# KiCad board SparkFun_GNSS_LG580P_panelized.kicad_pcb (continued)
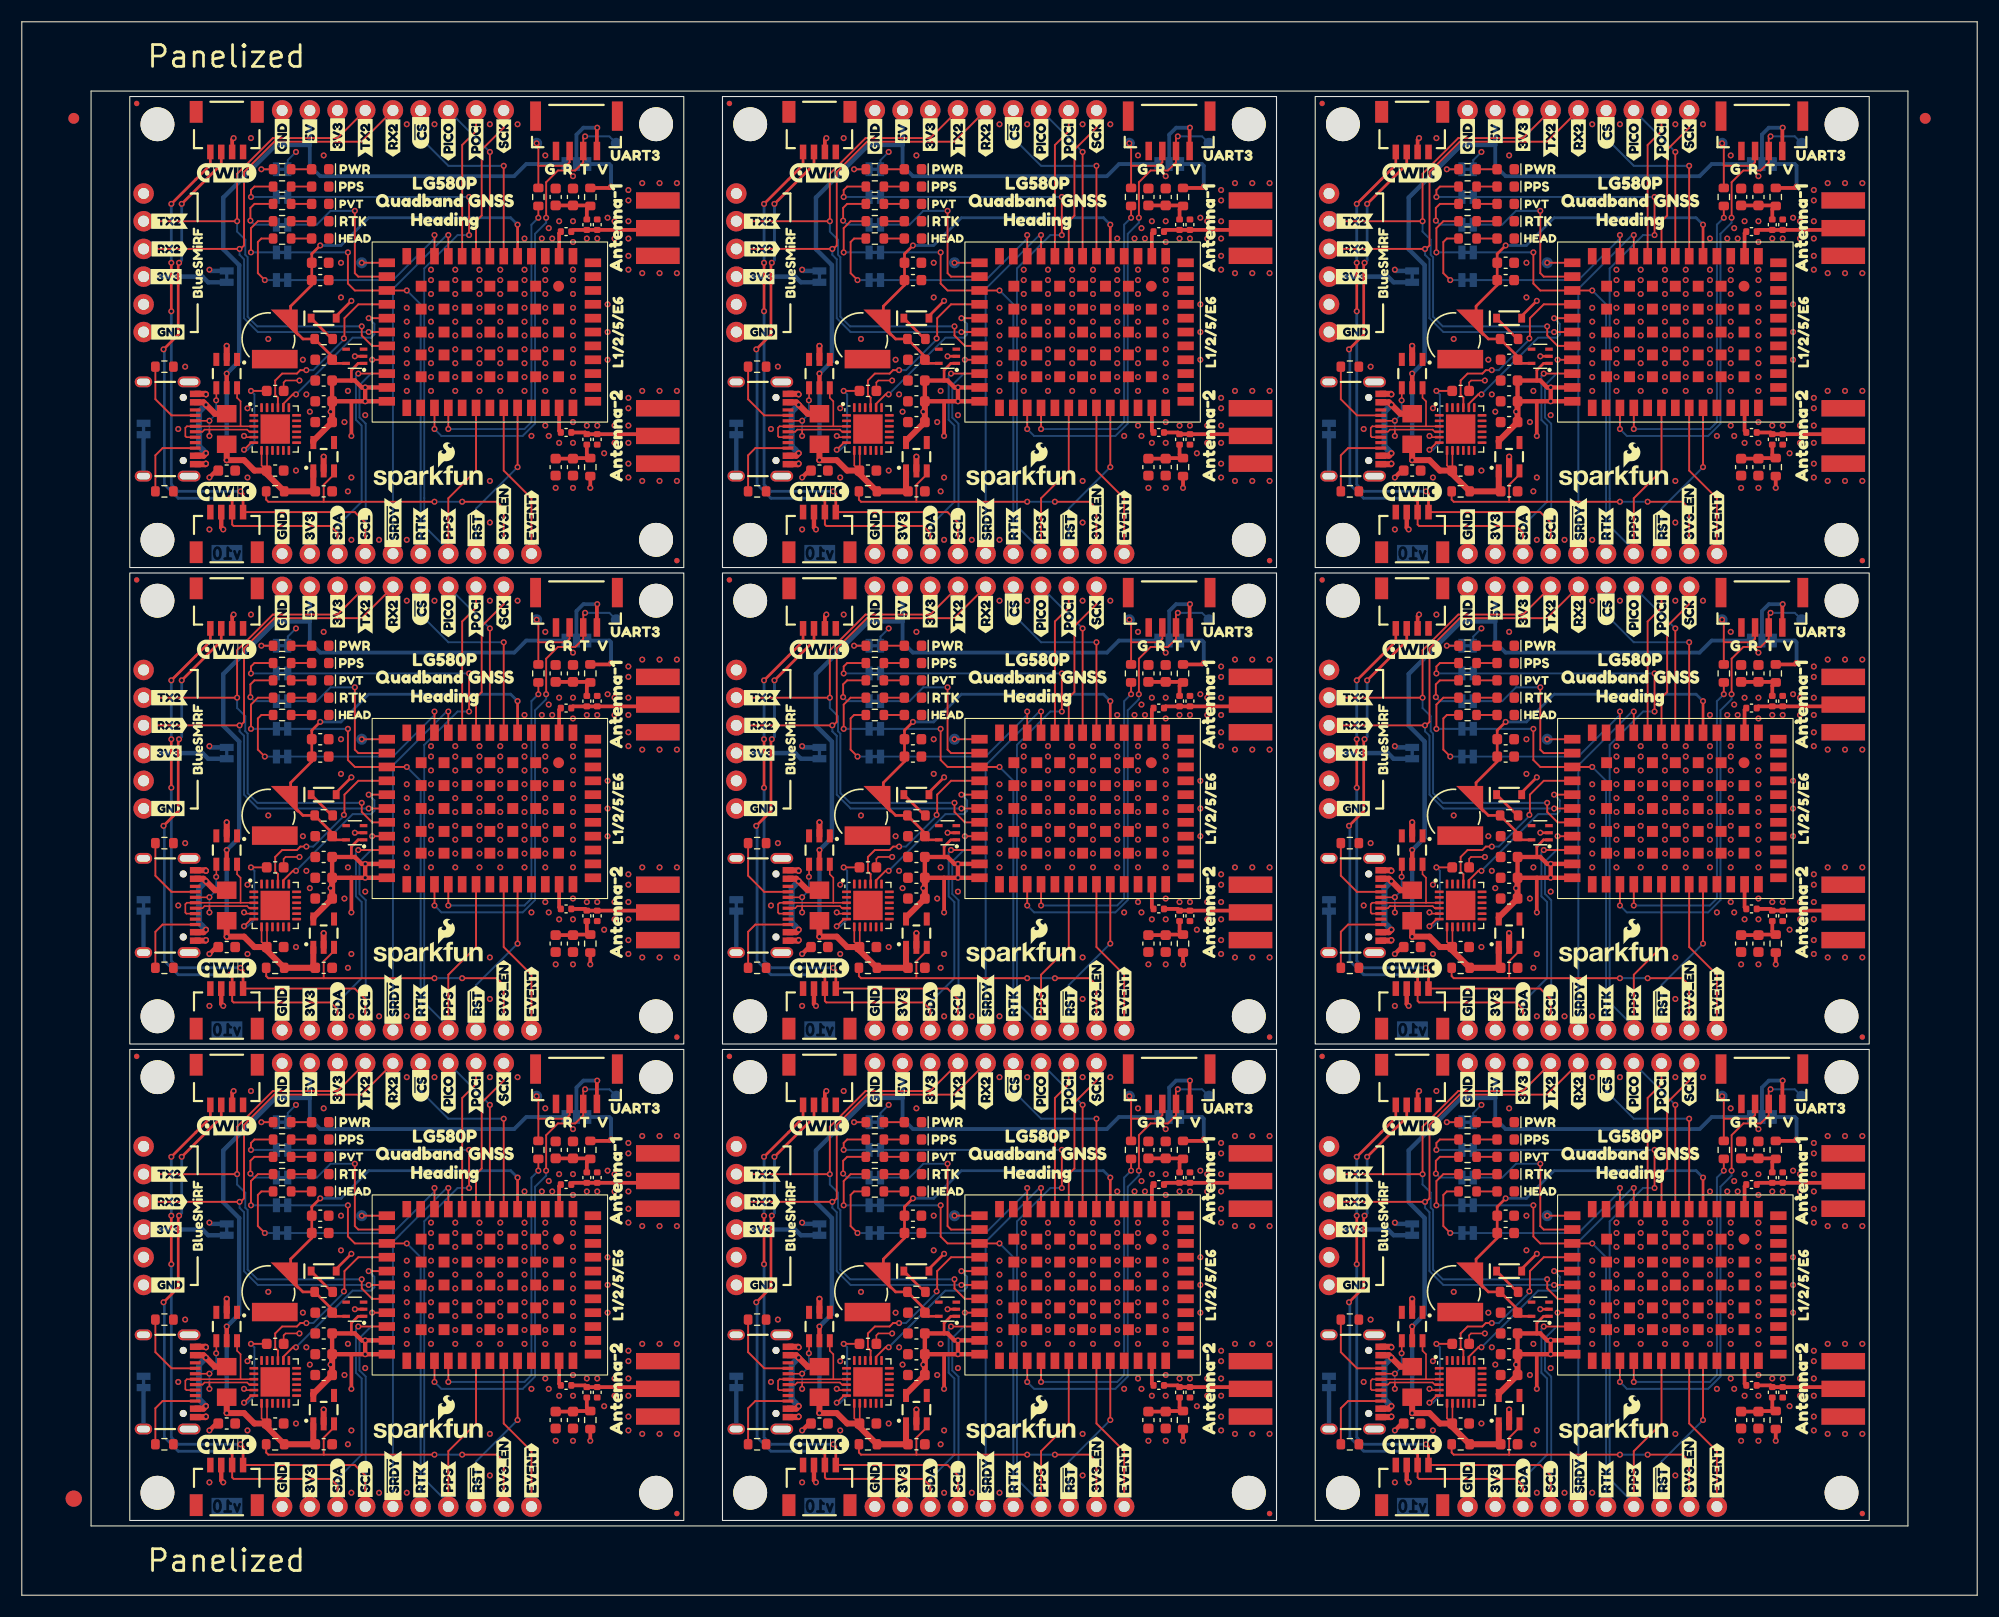
[diagram p0: board, top side]
## Placement (name value [footprint] x y rotation side) (continued)
J1  USB_C_Receptacle  [USB-C_16]  16.25 106.91 270 top
J1#2  USB_C_Receptacle  [USB-C_16]  70.6 63.23 270 top
J1#3  USB_C_Receptacle  [USB-C_16]  124.94 19.55 270 top
J1#4  USB_C_Receptacle  [USB-C_16]  16.25 63.23 270 top
J1#5  USB_C_Receptacle  [USB-C_16]  70.6 19.55 270 top
J1#6  USB_C_Receptacle  [USB-C_16]  70.6 106.91 270 top
J1#7  USB_C_Receptacle  [USB-C_16]  124.94 63.23 270 top
J1#8  USB_C_Receptacle  [USB-C_16]  124.94 106.91 270 top
J1#9  USB_C_Receptacle  [USB-C_16]  16.25 19.55 270 top
J2  Conn_01x06  [1x06]  65.52 41.14 270 top
J2#2  Conn_01x06  [1x06]  11.17 128.5 270 top
J2#3  Conn_01x06  [1x06]  11.17 84.82 270 top
J2#4  Conn_01x06  [1x06]  65.52 84.82 270 top
J2#5  Conn_01x06  [1x06]  65.52 128.5 270 top
J2#6  Conn_01x06  [1x06]  119.86 41.14 270 top
J2#7  Conn_01x06  [1x06]  119.86 84.82 270 top
J2#8  Conn_01x06  [1x06]  119.86 128.5 270 top
J2#9  Conn_01x06  [1x06]  11.17 41.14 270 top
J3  -  [SMA_Edge]  58.32 106.28 270 top
J3#2  -  [SMA_Edge]  167.01 18.92 270 top
J3#3  -  [SMA_Edge]  58.32 62.6 270 top
J3#4  -  [SMA_Edge]  112.66 18.92 270 top
J3#5  -  [SMA_Edge]  167.01 62.6 270 top
J3#6  -  [SMA_Edge]  112.66 62.6 270 top
J3#7  -  [SMA_Edge]  112.66 106.28 270 top
J3#8  -  [SMA_Edge]  167.01 106.28 270 top
J3#9  -  [SMA_Edge]  58.32 18.92 270 top
J4  Qwiic_RA  [JST_SMD_1.0mm-4_Black]  18.79 99.29 0 top
J4#2  Qwiic_RA  [JST_SMD_1.0mm-4_Black]  18.79 55.61 0 top
J4#3  Qwiic_RA  [JST_SMD_1.0mm-4_Black]  127.48 55.61 0 top
J4#4  Qwiic_RA  [JST_SMD_1.0mm-4_Black]  73.14 11.93 0 top
J4#5  Qwiic_RA  [JST_SMD_1.0mm-4_Black]  73.14 99.29 0 top
J4#6  Qwiic_RA  [JST_SMD_1.0mm-4_Black]  73.14 55.61 0 top
J4#7  Qwiic_RA  [JST_SMD_1.0mm-4_Black]  127.48 11.93 0 top
J4#8  Qwiic_RA  [JST_SMD_1.0mm-4_Black]  127.48 99.29 0 top
J4#9  Qwiic_RA  [JST_SMD_1.0mm-4_Black]  18.79 11.93 0 top
J5  -  [SMA_Edge]  58.32 81.65 270 top
J5#2  -  [SMA_Edge]  58.32 125.33 270 top
J5#3  -  [SMA_Edge]  167.01 81.65 270 top
J5#4  -  [SMA_Edge]  167.01 37.97 270 top
J5#5  -  [SMA_Edge]  112.66 37.97 270 top
J5#6  -  [SMA_Edge]  112.66 81.65 270 top
J5#7  -  [SMA_Edge]  112.66 125.33 270 top
J5#8  -  [SMA_Edge]  167.01 125.33 270 top
J5#9  -  [SMA_Edge]  58.32 37.97 270 top
J6  Conn_01x09  [1x09]  44.19 92.44 180 top
J6#2  Conn_01x09  [1x09]  98.54 136.12 180 top
J6#3  Conn_01x09  [1x09]  44.19 136.12 180 top
J6#4  Conn_01x09  [1x09]  98.54 48.76 180 top
J6#5  Conn_01x09  [1x09]  98.54 92.44 180 top
J6#6  Conn_01x09  [1x09]  152.88 92.44 180 top
J6#7  Conn_01x09  [1x09]  152.88 48.76 180 top
J6#8  Conn_01x09  [1x09]  152.88 136.12 180 top
J6#9  Conn_01x09  [1x09]  44.19 48.76 180 top
J7  Qwiic_RA  [JST_SMD_1.0mm-4_Black]  18.79 132.31 180 top
J7#2  Qwiic_RA  [JST_SMD_1.0mm-4_Black]  18.79 88.63 180 top
J7#3  Qwiic_RA  [JST_SMD_1.0mm-4_Black]  73.14 132.31 180 top
J7#4  Qwiic_RA  [JST_SMD_1.0mm-4_Black]  73.14 44.95 180 top
J7#5  Qwiic_RA  [JST_SMD_1.0mm-4_Black]  73.14 88.63 180 top
J7#6  Qwiic_RA  [JST_SMD_1.0mm-4_Black]  127.48 88.63 180 top
J7#7  Qwiic_RA  [JST_SMD_1.0mm-4_Black]  127.48 132.31 180 top
J7#8  Qwiic_RA  [JST_SMD_1.0mm-4_Black]  127.48 44.95 180 top
J7#9  Qwiic_RA  [JST_SMD_1.0mm-4_Black]  18.79 44.95 180 top
J8  JST_Locking_4  [JST_SMD_1.25mm-4_Locking]  50.86 90.47 180 top
J8#2  JST_Locking_4  [JST_SMD_1.25mm-4_Locking]  105.2 134.15 180 top
J8#3  JST_Locking_4  [JST_SMD_1.25mm-4_Locking]  159.55 46.78 180 top
J8#4  JST_Locking_4  [JST_SMD_1.25mm-4_Locking]  50.86 134.15 180 top
J8#5  JST_Locking_4  [JST_SMD_1.25mm-4_Locking]  105.2 90.47 180 top
J8#6  JST_Locking_4  [JST_SMD_1.25mm-4_Locking]  159.55 90.47 180 top
J8#7  JST_Locking_4  [JST_SMD_1.25mm-4_Locking]  105.2 46.78 180 top
J8#8  JST_Locking_4  [JST_SMD_1.25mm-4_Locking]  159.55 134.15 180 top
J8#9  JST_Locking_4  [JST_SMD_1.25mm-4_Locking]  50.86 46.78 180 top
J9  I2C  [1x04]  132.56 8.12 0 top
J9#2  I2C  [1x04]  78.22 51.8 0 top
J9#3  I2C  [1x04]  78.22 95.48 0 top
J9#4  I2C  [1x04]  78.22 8.12 0 top
J9#5  I2C  [1x04]  132.56 95.48 0 top
J9#6  I2C  [1x04]  132.56 51.8 0 top
J9#7  I2C  [1x04]  23.87 51.8 0 top
J9#8  I2C  [1x04]  23.87 95.48 0 top
J9#9  I2C  [1x04]  23.87 8.12 0 top
J10  Conn_01x06  [1x06]  88.38 8.12 0 top
J10#2  Conn_01x06  [1x06]  142.72 8.12 0 top
J10#3  Conn_01x06  [1x06]  34.03 51.8 0 top
J10#4  Conn_01x06  [1x06]  34.03 95.48 0 top
J10#5  Conn_01x06  [1x06]  88.38 51.8 0 top
J10#6  Conn_01x06  [1x06]  88.38 95.48 0 top
J10#7  Conn_01x06  [1x06]  142.72 51.8 0 top
J10#8  Conn_01x06  [1x06]  142.72 95.48 0 top
J10#9  Conn_01x06  [1x06]  34.03 8.12 0 top
JP1  ~  [Jumper_2_NC_Trace]  73.14 77.2 90 bottom
JP1#2  ~  [Jumper_2_NC_Trace]  127.48 33.52 90 bottom
JP1#3  ~  [Jumper_2_NC_Trace]  18.79 77.2 90 bottom
JP1#4  ~  [Jumper_2_NC_Trace]  18.79 120.88 90 bottom
JP1#5  ~  [Jumper_2_NC_Trace]  73.14 33.52 90 bottom
JP1#6  ~  [Jumper_2_NC_Trace]  73.14 120.88 90 bottom
JP1#7  ~  [Jumper_2_NC_Trace]  127.48 77.2 90 bottom
JP1#8  ~  [Jumper_2_NC_Trace]  127.48 120.88 90 bottom
JP1#9  ~  [Jumper_2_NC_Trace]  18.79 33.52 90 bottom
JP2  ~  [Jumper_2_NC_Trace]  78.22 87.04 0 bottom
JP2#2  ~  [Jumper_2_NC_Trace]  132.56 43.36 0 bottom
JP2#3  ~  [Jumper_2_NC_Trace]  23.87 87.04 0 bottom
JP2#4  ~  [Jumper_2_NC_Trace]  78.22 43.36 0 bottom
JP2#5  ~  [Jumper_2_NC_Trace]  78.22 130.72 0 bottom
JP2#6  ~  [Jumper_2_NC_Trace]  132.56 130.72 0 bottom
JP2#7  ~  [Jumper_2_NC_Trace]  23.87 130.72 0 bottom
JP2#8  ~  [Jumper_2_NC_Trace]  132.56 87.04 0 bottom
JP2#9  ~  [Jumper_2_NC_Trace]  23.87 43.36 0 bottom
JP3  ~  [Jumper_2_NC_Trace]  23.87 40.82 0 bottom
JP3#2  ~  [Jumper_2_NC_Trace]  78.22 40.82 0 bottom
JP3#3  ~  [Jumper_2_NC_Trace]  132.56 40.82 0 bottom
JP3#4  ~  [Jumper_2_NC_Trace]  23.87 128.18 0 bottom
JP3#5  ~  [Jumper_2_NC_Trace]  23.87 84.5 0 bottom
JP3#6  ~  [Jumper_2_NC_Trace]  78.22 84.5 0 bottom
JP3#7  ~  [Jumper_2_NC_Trace]  78.22 128.18 0 bottom
JP3#8  ~  [Jumper_2_NC_Trace]  132.56 84.5 0 bottom
JP3#9  ~  [Jumper_2_NC_Trace]  132.56 128.18 0 bottom
JP4  ~  [Jumper_3_NC-1_Trace]  50.86 43.84 180 bottom
JP4#2  ~  [Jumper_3_NC-1_Trace]  105.2 87.52 180 bottom
JP4#3  ~  [Jumper_3_NC-1_Trace]  50.86 87.52 180 bottom
JP4#4  ~  [Jumper_3_NC-1_Trace]  50.86 131.2 180 bottom
JP4#5  ~  [Jumper_3_NC-1_Trace]  105.2 43.84 180 bottom
JP4#6  ~  [Jumper_3_NC-1_Trace]  159.55 131.2 180 bottom
JP4#7  ~  [Jumper_3_NC-1_Trace]  159.55 43.84 180 bottom
JP4#8  ~  [Jumper_3_NC-1_Trace]  105.2 131.2 180 bottom
JP4#9  ~  [Jumper_3_NC-1_Trace]  159.55 87.52 180 bottom
JP5  ~  [Jumper_2_NC_Trace]  23.87 123.1 0 bottom
JP5#2  ~  [Jumper_2_NC_Trace]  78.22 35.74 0 bottom
JP5#3  ~  [Jumper_2_NC_Trace]  132.56 79.42 0 bottom
JP5#4  ~  [Jumper_2_NC_Trace]  78.22 123.1 0 bottom
JP5#5  ~  [Jumper_2_NC_Trace]  78.22 79.42 0 bottom
JP5#6  ~  [Jumper_2_NC_Trace]  132.56 35.74 0 bottom
JP5#7  ~  [Jumper_2_NC_Trace]  23.87 79.42 0 bottom
JP5#8  ~  [Jumper_2_NC_Trace]  132.56 123.1 0 bottom
JP5#9  ~  [Jumper_2_NC_Trace]  23.87 35.74 0 bottom
JP6  ~  [Jumper_2_NC_Trace]  78.22 120.56 0 bottom
JP6#2  ~  [Jumper_2_NC_Trace]  132.56 76.88 0 bottom
JP6#3  ~  [Jumper_2_NC_Trace]  132.56 120.56 0 bottom
JP6#4  ~  [Jumper_2_NC_Trace]  132.56 33.2 0 bottom
JP6#5  ~  [Jumper_2_NC_Trace]  78.22 33.2 0 bottom
JP6#6  ~  [Jumper_2_NC_Trace]  78.22 76.88 0 bottom
JP6#7  ~  [Jumper_2_NC_Trace]  23.87 76.88 0 bottom
JP6#8  ~  [Jumper_2_NC_Trace]  23.87 120.56 0 bottom
JP6#9  ~  [Jumper_2_NC_Trace]  23.87 33.2 0 bottom
JP7  ~  [Jumper_2_NC_Trace]  11.16 19.55 270 bottom
JP7#2  ~  [Jumper_2_NC_Trace]  11.16 63.23 270 bottom
JP7#3  ~  [Jumper_2_NC_Trace]  11.16 106.91 270 bottom
JP7#4  ~  [Jumper_2_NC_Trace]  65.51 19.55 270 bottom
JP7#5  ~  [Jumper_2_NC_Trace]  65.51 63.23 270 bottom
JP7#6  ~  [Jumper_2_NC_Trace]  65.51 106.91 270 bottom
JP7#7  ~  [Jumper_2_NC_Trace]  119.86 19.55 270 bottom
JP7#8  ~  [Jumper_2_NC_Trace]  119.86 63.23 270 bottom
JP7#9  ~  [Jumper_2_NC_Trace]  119.86 106.91 270 bottom
JP8  ~  [Jumper_2_NC_Trace]  23.87 38.28 0 bottom
JP8#2  ~  [Jumper_2_NC_Trace]  78.22 38.28 0 bottom
JP8#3  ~  [Jumper_2_NC_Trace]  23.87 125.64 0 bottom
JP8#4  ~  [Jumper_2_NC_Trace]  132.56 38.28 0 bottom
JP8#5  ~  [Jumper_2_NC_Trace]  132.56 81.96 0 bottom
JP8#6  ~  [Jumper_2_NC_Trace]  78.22 81.96 0 bottom
JP8#7  ~  [Jumper_2_NC_Trace]  23.87 81.96 0 bottom
JP8#8  ~  [Jumper_2_NC_Trace]  132.56 125.64 0 bottom
JP8#9  ~  [Jumper_2_NC_Trace]  78.22 125.64 0 bottom
kibuzzard-64C2E6A3  G***  [kibuzzard-64C2E6A3]  30.54 130.72 0 top
kibuzzard-64C2E6A3#2  G***  [kibuzzard-64C2E6A3]  139.23 43.36 0 top
kibuzzard-64C2E6A3#3  G***  [kibuzzard-64C2E6A3]  84.88 43.36 0 top
kibuzzard-64C2E6A3#4  G***  [kibuzzard-64C2E6A3]  30.54 87.04 0 top
kibuzzard-64C2E6A3#5  G***  [kibuzzard-64C2E6A3]  84.88 87.04 0 top
kibuzzard-64C2E6A3#6  G***  [kibuzzard-64C2E6A3]  84.88 130.72 0 top
kibuzzard-64C2E6A3#7  G***  [kibuzzard-64C2E6A3]  139.23 87.04 0 top
kibuzzard-64C2E6A3#8  G***  [kibuzzard-64C2E6A3]  139.23 130.72 0 top
kibuzzard-64C2E6A3#9  G***  [kibuzzard-64C2E6A3]  30.54 43.36 0 top
kibuzzard-64C2E6BD  G***  [kibuzzard-64C2E6BD]  30.22 85.46 0 top
kibuzzard-64C2E6BD#2  G***  [kibuzzard-64C2E6BD]  138.91 41.78 0 top
kibuzzard-64C2E6BD#3  G***  [kibuzzard-64C2E6BD]  138.91 129.13 0 top
kibuzzard-64C2E6BD#4  G***  [kibuzzard-64C2E6BD]  84.57 129.13 0 top
kibuzzard-64C2E6BD#5  G***  [kibuzzard-64C2E6BD]  84.57 85.46 0 top
kibuzzard-64C2E6BD#6  G***  [kibuzzard-64C2E6BD]  30.22 129.13 0 top
kibuzzard-64C2E6BD#7  G***  [kibuzzard-64C2E6BD]  84.57 41.78 0 top
kibuzzard-64C2E6BD#8  G***  [kibuzzard-64C2E6BD]  138.91 85.46 0 top
kibuzzard-64C2E6BD#9  G***  [kibuzzard-64C2E6BD]  30.22 41.78 0 top
kibuzzard-64C2E6D6  G***  [kibuzzard-64C2E6D6]  30.38 38.6 0 top
kibuzzard-64C2E6D6#2  G***  [kibuzzard-64C2E6D6]  84.72 38.6 0 top
kibuzzard-64C2E6D6#3  G***  [kibuzzard-64C2E6D6]  139.07 38.6 0 top
kibuzzard-64C2E6D6#4  G***  [kibuzzard-64C2E6D6]  30.38 82.28 0 top
kibuzzard-64C2E6D6#5  G***  [kibuzzard-64C2E6D6]  84.72 82.28 0 top
kibuzzard-64C2E6D6#6  G***  [kibuzzard-64C2E6D6]  30.38 125.96 0 top
kibuzzard-64C2E6D6#7  G***  [kibuzzard-64C2E6D6]  84.72 125.96 0 top
kibuzzard-64C2E6D6#8  G***  [kibuzzard-64C2E6D6]  139.07 82.28 0 top
kibuzzard-64C2E6D6#9  G***  [kibuzzard-64C2E6D6]  139.07 125.96 0 top
kibuzzard-64C3DF93  G***  [kibuzzard-64C3DF93]  12.94 19.55 270 bottom
kibuzzard-64C3DF93#2  G***  [kibuzzard-64C3DF93]  121.64 63.23 270 bottom
kibuzzard-64C3DF93#3  G***  [kibuzzard-64C3DF93]  121.64 106.91 270 bottom
kibuzzard-64C3DF93#4  G***  [kibuzzard-64C3DF93]  12.94 63.23 270 bottom
kibuzzard-64C3DF93#5  G***  [kibuzzard-64C3DF93]  121.64 19.55 270 bottom
kibuzzard-64C3DF93#6  G***  [kibuzzard-64C3DF93]  12.94 106.91 270 bottom
kibuzzard-64C3DF93#7  G***  [kibuzzard-64C3DF93]  67.29 19.55 270 bottom
kibuzzard-64C3DF93#8  G***  [kibuzzard-64C3DF93]  67.29 63.23 270 bottom
kibuzzard-64C3DF93#9  G***  [kibuzzard-64C3DF93]  67.29 106.91 270 bottom
kibuzzard-66CAA7B2  G***  [kibuzzard-66CAA7B2]  46.73 11.45 90 top
kibuzzard-66CAA7B2#2  G***  [kibuzzard-66CAA7B2]  101.08 11.45 90 top
kibuzzard-66CAA7B2#3  G***  [kibuzzard-66CAA7B2]  155.42 11.45 90 top
kibuzzard-66CAA7B2#4  G***  [kibuzzard-66CAA7B2]  155.42 55.13 90 top
kibuzzard-66CAA7B2#5  G***  [kibuzzard-66CAA7B2]  46.73 55.13 90 top
kibuzzard-66CAA7B2#6  G***  [kibuzzard-66CAA7B2]  46.73 98.81 90 top
kibuzzard-66CAA7B2#7  G***  [kibuzzard-66CAA7B2]  101.08 55.13 90 top
kibuzzard-66CAA7B2#8  G***  [kibuzzard-66CAA7B2]  101.08 98.81 90 top
kibuzzard-66CAA7B2#9  G***  [kibuzzard-66CAA7B2]  155.42 98.81 90 top
kibuzzard-66CAA7D2  G***  [kibuzzard-66CAA7D2]  44.19 99.13 90 top
kibuzzard-66CAA7D2#2  G***  [kibuzzard-66CAA7D2]  98.54 55.45 90 top
kibuzzard-66CAA7D2#3  G***  [kibuzzard-66CAA7D2]  98.54 99.13 90 top
kibuzzard-66CAA7D2#4  G***  [kibuzzard-66CAA7D2]  44.19 55.45 90 top
kibuzzard-66CAA7D2#5  G***  [kibuzzard-66CAA7D2]  98.54 11.77 90 top
kibuzzard-66CAA7D2#6  G***  [kibuzzard-66CAA7D2]  152.88 11.77 90 top
kibuzzard-66CAA7D2#7  G***  [kibuzzard-66CAA7D2]  152.88 99.13 90 top
kibuzzard-66CAA7D2#8  G***  [kibuzzard-66CAA7D2]  152.88 55.45 90 top
kibuzzard-66CAA7D2#9  G***  [kibuzzard-66CAA7D2]  44.19 11.77 90 top
kibuzzard-66CAA41A  G***  [kibuzzard-66CAA41A]  28.95 54.43 90 top
kibuzzard-66CAA41A#2  G***  [kibuzzard-66CAA41A]  83.3 54.43 90 top
kibuzzard-66CAA41A#3  G***  [kibuzzard-66CAA41A]  28.95 98.11 90 top
kibuzzard-66CAA41A#4  G***  [kibuzzard-66CAA41A]  83.3 10.75 90 top
kibuzzard-66CAA41A#5  G***  [kibuzzard-66CAA41A]  83.3 98.11 90 top
kibuzzard-66CAA41A#6  G***  [kibuzzard-66CAA41A]  137.64 10.75 90 top
kibuzzard-66CAA41A#7  G***  [kibuzzard-66CAA41A]  137.64 54.43 90 top
kibuzzard-66CAA41A#8  G***  [kibuzzard-66CAA41A]  137.64 98.11 90 top
kibuzzard-66CAA41A#9  G***  [kibuzzard-66CAA41A]  28.95 10.75 90 top
kibuzzard-66CAA426  G***  [kibuzzard-66CAA426]  26.41 97.83 90 top
kibuzzard-66CAA426#2  G***  [kibuzzard-66CAA426]  26.41 54.15 90 top
kibuzzard-66CAA426#3  G***  [kibuzzard-66CAA426]  80.76 97.83 90 top
kibuzzard-66CAA426#4  G***  [kibuzzard-66CAA426]  135.11 10.47 90 top
kibuzzard-66CAA426#5  G***  [kibuzzard-66CAA426]  80.76 54.15 90 top
kibuzzard-66CAA426#6  G***  [kibuzzard-66CAA426]  80.76 10.47 90 top
kibuzzard-66CAA426#7  G***  [kibuzzard-66CAA426]  135.11 97.83 90 top
kibuzzard-66CAA426#8  G***  [kibuzzard-66CAA426]  135.11 54.15 90 top
kibuzzard-66CAA426#9  G***  [kibuzzard-66CAA426]  26.41 10.47 90 top
kibuzzard-66CAA432  G***  [kibuzzard-66CAA432]  23.87 54.27 90 top
kibuzzard-66CAA432#2  G***  [kibuzzard-66CAA432]  132.56 10.59 90 top
kibuzzard-66CAA432#3  G***  [kibuzzard-66CAA432]  78.22 97.95 90 top
kibuzzard-66CAA432#4  G***  [kibuzzard-66CAA432]  132.56 54.27 90 top
kibuzzard-66CAA432#5  G***  [kibuzzard-66CAA432]  132.56 97.95 90 top
kibuzzard-66CAA432#6  G***  [kibuzzard-66CAA432]  23.87 97.95 90 top
kibuzzard-66CAA432#7  G***  [kibuzzard-66CAA432]  78.22 10.59 90 top
kibuzzard-66CAA432#8  G***  [kibuzzard-66CAA432]  78.22 54.27 90 top
kibuzzard-66CAA432#9  G***  [kibuzzard-66CAA432]  23.87 10.59 90 top
kibuzzard-66CAA594  G***  [kibuzzard-66CAA594]  31.49 98.02 90 top
kibuzzard-66CAA594#2  G***  [kibuzzard-66CAA594]  31.49 54.34 90 top
kibuzzard-66CAA594#3  G***  [kibuzzard-66CAA594]  140.18 10.66 90 top
kibuzzard-66CAA594#4  G***  [kibuzzard-66CAA594]  85.84 54.34 90 top
kibuzzard-66CAA594#5  G***  [kibuzzard-66CAA594]  140.18 98.02 90 top
kibuzzard-66CAA594#6  G***  [kibuzzard-66CAA594]  85.84 10.66 90 top
kibuzzard-66CAA594#7  G***  [kibuzzard-66CAA594]  85.84 98.02 90 top
kibuzzard-66CAA594#8  G***  [kibuzzard-66CAA594]  140.18 54.34 90 top
kibuzzard-66CAA594#9  G***  [kibuzzard-66CAA594]  31.49 10.66 90 top
kibuzzard-66CB7E2C  G***  [kibuzzard-66CB7E2C]  18.79 81.52 270 bottom
kibuzzard-66CB7E2C#2  G***  [kibuzzard-66CB7E2C]  73.14 81.52 270 bottom
kibuzzard-66CB7E2C#3  G***  [kibuzzard-66CB7E2C]  127.48 81.52 270 bottom
kibuzzard-66CB7E2C#4  G***  [kibuzzard-66CB7E2C]  127.48 37.84 270 bottom
kibuzzard-66CB7E2C#5  G***  [kibuzzard-66CB7E2C]  18.79 125.2 270 bottom
kibuzzard-66CB7E2C#6  G***  [kibuzzard-66CB7E2C]  73.14 37.84 270 bottom
kibuzzard-66CB7E2C#7  G***  [kibuzzard-66CB7E2C]  73.14 125.2 270 bottom
kibuzzard-66CB7E2C#8  G***  [kibuzzard-66CB7E2C]  127.48 125.2 270 bottom
kibuzzard-66CB7E2C#9  G***  [kibuzzard-66CB7E2C]  18.79 37.84 270 bottom
kibuzzard-66CB37CC  G***  [kibuzzard-66CB37CC]  107.58 48.31 270 bottom
kibuzzard-66CB37CC#2  G***  [kibuzzard-66CB37CC]  107.58 135.67 270 bottom
kibuzzard-66CB37CC#3  G***  [kibuzzard-66CB37CC]  53.24 91.99 270 bottom
kibuzzard-66CB37CC#4  G***  [kibuzzard-66CB37CC]  53.24 135.67 270 bottom
kibuzzard-66CB37CC#5  G***  [kibuzzard-66CB37CC]  107.58 91.99 270 bottom
kibuzzard-66CB37CC#6  G***  [kibuzzard-66CB37CC]  161.93 48.31 270 bottom
kibuzzard-66CB37CC#7  G***  [kibuzzard-66CB37CC]  161.93 91.99 270 bottom
kibuzzard-66CB37CC#8  G***  [kibuzzard-66CB37CC]  161.93 135.67 270 bottom
kibuzzard-66CB37CC#9  G***  [kibuzzard-66CB37CC]  53.24 48.31 270 bottom
kibuzzard-66CB37D7  G***  [kibuzzard-66CB37D7]  48.47 91.96 270 bottom
kibuzzard-66CB37D7#2  G***  [kibuzzard-66CB37D7]  157.17 135.64 270 bottom
kibuzzard-66CB37D7#3  G***  [kibuzzard-66CB37D7]  102.82 135.64 270 bottom
kibuzzard-66CB37D7#4  G***  [kibuzzard-66CB37D7]  157.17 91.96 270 bottom
kibuzzard-66CB37D7#5  G***  [kibuzzard-66CB37D7]  102.82 48.28 270 bottom
kibuzzard-66CB37D7#6  G***  [kibuzzard-66CB37D7]  102.82 91.96 270 bottom
kibuzzard-66CB37D7#7  G***  [kibuzzard-66CB37D7]  157.17 48.28 270 bottom
kibuzzard-66CB37D7#8  G***  [kibuzzard-66CB37D7]  48.47 135.64 270 bottom
kibuzzard-66CB37D7#9  G***  [kibuzzard-66CB37D7]  48.47 48.28 270 bottom
kibuzzard-66CB82FB  G***  [kibuzzard-66CB82FB]  107.74 131.2 270 bottom
kibuzzard-66CB82FB#2  G***  [kibuzzard-66CB82FB]  162.09 43.84 270 bottom
kibuzzard-66CB82FB#3  G***  [kibuzzard-66CB82FB]  53.4 87.52 270 bottom
kibuzzard-66CB82FB#4  G***  [kibuzzard-66CB82FB]  53.4 131.2 270 bottom
kibuzzard-66CB82FB#5  G***  [kibuzzard-66CB82FB]  107.74 43.84 270 bottom
kibuzzard-66CB82FB#6  G***  [kibuzzard-66CB82FB]  107.74 87.52 270 bottom
kibuzzard-66CB82FB#7  G***  [kibuzzard-66CB82FB]  162.09 87.52 270 bottom
kibuzzard-66CB82FB#8  G***  [kibuzzard-66CB82FB]  162.09 131.2 270 bottom
kibuzzard-66CB82FB#9  G***  [kibuzzard-66CB82FB]  53.4 43.84 270 bottom
kibuzzard-66CB829C  G***  [kibuzzard-66CB829C]  105.2 129.29 180 bottom
kibuzzard-66CB829C#2  G***  [kibuzzard-66CB829C]  50.86 85.61 180 bottom
kibuzzard-66CB829C#3  G***  [kibuzzard-66CB829C]  105.2 41.93 180 bottom
kibuzzard-66CB829C#4  G***  [kibuzzard-66CB829C]  50.86 129.29 180 bottom
kibuzzard-66CB829C#5  G***  [kibuzzard-66CB829C]  105.2 85.61 180 bottom
kibuzzard-66CB829C#6  G***  [kibuzzard-66CB829C]  159.55 85.61 180 bottom
kibuzzard-66CB829C#7  G***  [kibuzzard-66CB829C]  159.55 129.29 180 bottom
kibuzzard-66CB829C#8  G***  [kibuzzard-66CB829C]  159.55 41.93 180 bottom
kibuzzard-66CB829C#9  G***  [kibuzzard-66CB829C]  50.86 41.93 180 bottom
kibuzzard-66CB830B  G***  [kibuzzard-66CB830B]  48.47 87.52 270 bottom
kibuzzard-66CB830B#2  G***  [kibuzzard-66CB830B]  157.17 87.52 270 bottom
kibuzzard-66CB830B#3  G***  [kibuzzard-66CB830B]  48.47 131.2 270 bottom
kibuzzard-66CB830B#4  G***  [kibuzzard-66CB830B]  102.82 87.52 270 bottom
kibuzzard-66CB830B#5  G***  [kibuzzard-66CB830B]  102.82 43.84 270 bottom
kibuzzard-66CB830B#6  G***  [kibuzzard-66CB830B]  157.17 43.84 270 bottom
kibuzzard-66CB830B#7  G***  [kibuzzard-66CB830B]  102.82 131.2 270 bottom
kibuzzard-66CB830B#8  G***  [kibuzzard-66CB830B]  157.17 131.2 270 bottom
kibuzzard-66CB830B#9  G***  [kibuzzard-66CB830B]  48.47 43.84 270 bottom
kibuzzard-67A3F35B  G***  [kibuzzard-67A3F35B]  34.03 98.34 270 bottom
kibuzzard-67A3F35B#2  G***  [kibuzzard-67A3F35B]  34.03 54.66 270 bottom
kibuzzard-67A3F35B#3  G***  [kibuzzard-67A3F35B]  142.72 98.34 270 bottom
kibuzzard-67A3F35B#4  G***  [kibuzzard-67A3F35B]  142.72 10.98 270 bottom
kibuzzard-67A3F35B#5  G***  [kibuzzard-67A3F35B]  88.38 54.66 270 bottom
kibuzzard-67A3F35B#6  G***  [kibuzzard-67A3F35B]  88.38 98.34 270 bottom
kibuzzard-67A3F35B#7  G***  [kibuzzard-67A3F35B]  88.38 10.98 270 bottom
kibuzzard-67A3F35B#8  G***  [kibuzzard-67A3F35B]  142.72 54.66 270 bottom
kibuzzard-67A3F35B#9  G***  [kibuzzard-67A3F35B]  34.03 10.98 270 bottom
kibuzzard-67A3F366  G***  [kibuzzard-67A3F366]  88.38 10.98 90 top
kibuzzard-67A3F366#2  G***  [kibuzzard-67A3F366]  34.03 54.66 90 top
kibuzzard-67A3F366#3  G***  [kibuzzard-67A3F366]  88.38 98.34 90 top
kibuzzard-67A3F366#4  G***  [kibuzzard-67A3F366]  142.72 54.66 90 top
kibuzzard-67A3F366#5  G***  [kibuzzard-67A3F366]  142.72 10.98 90 top
kibuzzard-67A3F366#6  G***  [kibuzzard-67A3F366]  34.03 98.34 90 top
kibuzzard-67A3F366#7  G***  [kibuzzard-67A3F366]  88.38 54.66 90 top
kibuzzard-67A3F366#8  G***  [kibuzzard-67A3F366]  142.72 98.34 90 top
kibuzzard-67A3F366#9  G***  [kibuzzard-67A3F366]  34.03 10.98 90 top
kibuzzard-67C8A377  G***  [kibuzzard-67C8A377]  54.67 28.44 90 top
kibuzzard-67C8A377#2  G***  [kibuzzard-67C8A377]  163.36 72.12 90 top
kibuzzard-67C8A377#3  G***  [kibuzzard-67C8A377]  109.01 72.12 90 top
kibuzzard-67C8A377#4  G***  [kibuzzard-67C8A377]  109.01 28.44 90 top
kibuzzard-67C8A377#5  G***  [kibuzzard-67C8A377]  54.67 115.8 90 top
kibuzzard-67C8A377#6  G***  [kibuzzard-67C8A377]  163.36 28.44 90 top
kibuzzard-67C8A377#7  G***  [kibuzzard-67C8A377]  109.01 115.8 90 top
kibuzzard-67C8A377#8  G***  [kibuzzard-67C8A377]  54.67 72.12 90 top
kibuzzard-67C8A377#9  G***  [kibuzzard-67C8A377]  163.36 115.8 90 top
kibuzzard-678FE5A2  G***  [kibuzzard-678FE5A2]  147.49 38.6 0 top
kibuzzard-678FE5A2#2  G***  [kibuzzard-678FE5A2]  147.49 125.96 0 top
kibuzzard-678FE5A2#3  G***  [kibuzzard-678FE5A2]  147.49 82.28 0 top
kibuzzard-678FE5A2#4  G***  [kibuzzard-678FE5A2]  93.14 38.6 0 top
kibuzzard-678FE5A2#5  G***  [kibuzzard-678FE5A2]  93.14 125.96 0 top
kibuzzard-678FE5A2#6  G***  [kibuzzard-678FE5A2]  38.79 82.28 0 top
kibuzzard-678FE5A2#7  G***  [kibuzzard-678FE5A2]  38.79 125.96 0 top
kibuzzard-678FE5A2#8  G***  [kibuzzard-678FE5A2]  93.14 82.28 0 top
kibuzzard-678FE5A2#9  G***  [kibuzzard-678FE5A2]  38.79 38.6 0 top
kibuzzard-678FE57D  G***  [kibuzzard-678FE57D]  38.79 42.09 0 top
kibuzzard-678FE57D#2  G***  [kibuzzard-678FE57D]  38.79 129.45 0 top
kibuzzard-678FE57D#3  G***  [kibuzzard-678FE57D]  147.49 129.45 0 top
kibuzzard-678FE57D#4  G***  [kibuzzard-678FE57D]  93.14 42.09 0 top
kibuzzard-678FE57D#5  G***  [kibuzzard-678FE57D]  147.49 42.09 0 top
kibuzzard-678FE57D#6  G***  [kibuzzard-678FE57D]  147.49 85.77 0 top
kibuzzard-678FE57D#7  G***  [kibuzzard-678FE57D]  93.14 129.45 0 top
kibuzzard-678FE57D#8  G***  [kibuzzard-678FE57D]  38.79 85.77 0 top
kibuzzard-678FE57D#9  G***  [kibuzzard-678FE57D]  93.14 85.77 0 top
kibuzzard-6501FDDA  G***  [kibuzzard-6501FDDA]  16.12 78.47 90 top
kibuzzard-6501FDDA#2  G***  [kibuzzard-6501FDDA]  70.47 78.47 90 top
kibuzzard-6501FDDA#3  G***  [kibuzzard-6501FDDA]  124.82 34.79 90 top
kibuzzard-6501FDDA#4  G***  [kibuzzard-6501FDDA]  70.47 34.79 90 top
kibuzzard-6501FDDA#5  G***  [kibuzzard-6501FDDA]  16.12 122.15 90 top
kibuzzard-6501FDDA#6  G***  [kibuzzard-6501FDDA]  70.47 122.15 90 top
kibuzzard-6501FDDA#7  G***  [kibuzzard-6501FDDA]  124.82 78.47 90 top
kibuzzard-6501FDDA#8  G***  [kibuzzard-6501FDDA]  124.82 122.15 90 top
kibuzzard-6501FDDA#9  G***  [kibuzzard-6501FDDA]  16.12 34.79 90 top
kibuzzard-6501FDDA#10  G***  [kibuzzard-6501FDDA]  70.47 122.15 270 bottom
kibuzzard-6501FDDA#11  G***  [kibuzzard-6501FDDA]  16.12 78.47 270 bottom
kibuzzard-6501FDDA#12  G***  [kibuzzard-6501FDDA]  70.47 78.47 270 bottom
kibuzzard-6501FDDA#13  G***  [kibuzzard-6501FDDA]  16.12 122.15 270 bottom
kibuzzard-6501FDDA#14  G***  [kibuzzard-6501FDDA]  70.47 34.79 270 bottom
kibuzzard-6501FDDA#15  G***  [kibuzzard-6501FDDA]  124.82 34.79 270 bottom
kibuzzard-6501FDDA#16  G***  [kibuzzard-6501FDDA]  124.82 78.47 270 bottom
kibuzzard-6501FDDA#17  G***  [kibuzzard-6501FDDA]  124.82 122.15 270 bottom
kibuzzard-6501FDDA#18  G***  [kibuzzard-6501FDDA]  16.12 34.79 270 bottom
kibuzzard-6797CCC1  G***  [kibuzzard-6797CCC1]  81.39 38.28 180 bottom
kibuzzard-6797CCC1#2  G***  [kibuzzard-6797CCC1]  27.04 81.96 180 bottom
kibuzzard-6797CCC1#3  G***  [kibuzzard-6797CCC1]  27.04 125.64 180 bottom
kibuzzard-6797CCC1#4  G***  [kibuzzard-6797CCC1]  135.74 38.28 180 bottom
kibuzzard-6797CCC1#5  G***  [kibuzzard-6797CCC1]  81.39 125.64 180 bottom
kibuzzard-6797CCC1#6  G***  [kibuzzard-6797CCC1]  81.39 81.96 180 bottom
kibuzzard-6797CCC1#7  G***  [kibuzzard-6797CCC1]  135.74 81.96 180 bottom
kibuzzard-6797CCC1#8  G***  [kibuzzard-6797CCC1]  135.74 125.64 180 bottom
kibuzzard-6797CCC1#9  G***  [kibuzzard-6797CCC1]  27.04 38.28 180 bottom
kibuzzard-6797CCD8  G***  [kibuzzard-6797CCD8]  84.88 37.01 0 top
kibuzzard-6797CCD8#2  G***  [kibuzzard-6797CCD8]  84.88 80.69 0 top
kibuzzard-6797CCD8#3  G***  [kibuzzard-6797CCD8]  84.88 124.37 0 top
kibuzzard-6797CCD8#4  G***  [kibuzzard-6797CCD8]  139.23 80.69 0 top
kibuzzard-6797CCD8#5  G***  [kibuzzard-6797CCD8]  30.54 124.37 0 top
kibuzzard-6797CCD8#6  G***  [kibuzzard-6797CCD8]  139.23 37.01 0 top
kibuzzard-6797CCD8#7  G***  [kibuzzard-6797CCD8]  30.54 80.69 0 top
kibuzzard-6797CCD8#8  G***  [kibuzzard-6797CCD8]  139.23 124.37 0 top
kibuzzard-6797CCD8#9  G***  [kibuzzard-6797CCD8]  30.54 37.01 0 top
kibuzzard-6797CCDC  G***  [kibuzzard-6797CCDC]  84.57 40.19 0 top
kibuzzard-6797CCDC#2  G***  [kibuzzard-6797CCDC]  138.91 40.19 0 top
kibuzzard-6797CCDC#3  G***  [kibuzzard-6797CCDC]  30.22 83.87 0 top
kibuzzard-6797CCDC#4  G***  [kibuzzard-6797CCDC]  84.57 83.87 0 top
kibuzzard-6797CCDC#5  G***  [kibuzzard-6797CCDC]  30.22 127.55 0 top
kibuzzard-6797CCDC#6  G***  [kibuzzard-6797CCDC]  84.57 127.55 0 top
kibuzzard-6797CCDC#7  G***  [kibuzzard-6797CCDC]  138.91 83.87 0 top
kibuzzard-6797CCDC#8  G***  [kibuzzard-6797CCDC]  138.91 127.55 0 top
kibuzzard-6797CCDC#9  G***  [kibuzzard-6797CCDC]  30.22 40.19 0 top
kibuzzard-6797CD7B  G***  [kibuzzard-6797CD7B]  27.2 130.72 180 bottom
kibuzzard-6797CD7B#2  G***  [kibuzzard-6797CD7B]  81.55 87.04 180 bottom
kibuzzard-6797CD7B#3  G***  [kibuzzard-6797CD7B]  27.2 87.04 180 bottom
kibuzzard-6797CD7B#4  G***  [kibuzzard-6797CD7B]  81.55 43.36 180 bottom
kibuzzard-6797CD7B#5  G***  [kibuzzard-6797CD7B]  135.9 130.72 180 bottom
kibuzzard-6797CD7B#6  G***  [kibuzzard-6797CD7B]  135.9 87.04 180 bottom
kibuzzard-6797CD7B#7  G***  [kibuzzard-6797CD7B]  81.55 130.72 180 bottom
kibuzzard-6797CD7B#8  G***  [kibuzzard-6797CD7B]  135.9 43.36 180 bottom
kibuzzard-6797CD7B#9  G***  [kibuzzard-6797CD7B]  27.2 43.36 180 bottom
kibuzzard-6797CDD0  G***  [kibuzzard-6797CDD0]  26.88 84.5 180 bottom
kibuzzard-6797CDD0#2  G***  [kibuzzard-6797CDD0]  135.58 128.18 180 bottom
kibuzzard-6797CDD0#3  G***  [kibuzzard-6797CDD0]  135.58 40.82 180 bottom
kibuzzard-6797CDD0#4  G***  [kibuzzard-6797CDD0]  81.23 40.82 180 bottom
kibuzzard-6797CDD0#5  G***  [kibuzzard-6797CDD0]  81.23 84.5 180 bottom
kibuzzard-6797CDD0#6  G***  [kibuzzard-6797CDD0]  26.88 128.18 180 bottom
kibuzzard-6797CDD0#7  G***  [kibuzzard-6797CDD0]  135.58 84.5 180 bottom
kibuzzard-6797CDD0#8  G***  [kibuzzard-6797CDD0]  81.23 128.18 180 bottom
kibuzzard-6797CDD0#9  G***  [kibuzzard-6797CDD0]  26.88 40.82 180 bottom
kibuzzard-6797CDE7  G***  [kibuzzard-6797CDE7]  27.04 35.74 180 bottom
kibuzzard-6797CDE7#2  G***  [kibuzzard-6797CDE7]  27.04 79.42 180 bottom
kibuzzard-6797CDE7#3  G***  [kibuzzard-6797CDE7]  81.39 35.74 180 bottom
kibuzzard-6797CDE7#4  G***  [kibuzzard-6797CDE7]  27.04 123.1 180 bottom
kibuzzard-6797CDE7#5  G***  [kibuzzard-6797CDE7]  135.74 35.74 180 bottom
kibuzzard-6797CDE7#6  G***  [kibuzzard-6797CDE7]  81.39 123.1 180 bottom
kibuzzard-6797CDE7#7  G***  [kibuzzard-6797CDE7]  81.39 79.42 180 bottom
kibuzzard-6797CDE7#8  G***  [kibuzzard-6797CDE7]  135.74 79.42 180 bottom
kibuzzard-6797CDE7#9  G***  [kibuzzard-6797CDE7]  135.74 123.1 180 bottom
kibuzzard-6797CDED  G***  [kibuzzard-6797CDED]  137.17 33.2 180 bottom
kibuzzard-6797CDED#2  G***  [kibuzzard-6797CDED]  28.47 76.88 180 bottom
kibuzzard-6797CDED#3  G***  [kibuzzard-6797CDED]  82.82 33.2 180 bottom
kibuzzard-6797CDED#4  G***  [kibuzzard-6797CDED]  28.47 120.56 180 bottom
kibuzzard-6797CDED#5  G***  [kibuzzard-6797CDED]  82.82 76.88 180 bottom
kibuzzard-6797CDED#6  G***  [kibuzzard-6797CDED]  82.82 120.56 180 bottom
kibuzzard-6797CDED#7  G***  [kibuzzard-6797CDED]  137.17 76.88 180 bottom
kibuzzard-6797CDED#8  G***  [kibuzzard-6797CDED]  137.17 120.56 180 bottom
kibuzzard-6797CDED#9  G***  [kibuzzard-6797CDED]  28.47 33.2 180 bottom
kibuzzard-6797CE3B  G***  [kibuzzard-6797CE3B]  23.87 90.06 90 top
kibuzzard-6797CE3B#2  G***  [kibuzzard-6797CE3B]  23.87 133.74 90 top
kibuzzard-6797CE3B#3  G***  [kibuzzard-6797CE3B]  78.22 46.38 90 top
kibuzzard-6797CE3B#4  G***  [kibuzzard-6797CE3B]  78.22 90.06 90 top
kibuzzard-6797CE3B#5  G***  [kibuzzard-6797CE3B]  78.22 133.74 90 top
kibuzzard-6797CE3B#6  G***  [kibuzzard-6797CE3B]  132.56 90.06 90 top
kibuzzard-6797CE3B#7  G***  [kibuzzard-6797CE3B]  132.56 133.74 90 top
kibuzzard-6797CE3B#8  G***  [kibuzzard-6797CE3B]  132.56 46.38 90 top
kibuzzard-6797CE3B#9  G***  [kibuzzard-6797CE3B]  23.87 46.38 90 top
kibuzzard-6797CE3F  G***  [kibuzzard-6797CE3F]  26.41 134.22 90 top
kibuzzard-6797CE3F#2  G***  [kibuzzard-6797CE3F]  135.1 46.86 90 top
kibuzzard-6797CE3F#3  G***  [kibuzzard-6797CE3F]  26.41 90.53 90 top
kibuzzard-6797CE3F#4  G***  [kibuzzard-6797CE3F]  80.76 46.86 90 top
kibuzzard-6797CE3F#5  G***  [kibuzzard-6797CE3F]  80.76 90.53 90 top
kibuzzard-6797CE3F#6  G***  [kibuzzard-6797CE3F]  80.76 134.22 90 top
kibuzzard-6797CE3F#7  G***  [kibuzzard-6797CE3F]  135.1 90.53 90 top
kibuzzard-6797CE3F#8  G***  [kibuzzard-6797CE3F]  135.1 134.22 90 top
kibuzzard-6797CE3F#9  G***  [kibuzzard-6797CE3F]  26.41 46.86 90 top
kibuzzard-6797CE4B  G***  [kibuzzard-6797CE4B]  34.03 133.58 90 top
kibuzzard-6797CE4B#2  G***  [kibuzzard-6797CE4B]  34.03 89.9 90 top
kibuzzard-6797CE4B#3  G***  [kibuzzard-6797CE4B]  88.38 133.58 90 top
kibuzzard-6797CE4B#4  G***  [kibuzzard-6797CE4B]  142.72 46.22 90 top
kibuzzard-6797CE4B#5  G***  [kibuzzard-6797CE4B]  88.38 89.9 90 top
kibuzzard-6797CE4B#6  G***  [kibuzzard-6797CE4B]  88.38 46.22 90 top
kibuzzard-6797CE4B#7  G***  [kibuzzard-6797CE4B]  142.72 89.9 90 top
kibuzzard-6797CE4B#8  G***  [kibuzzard-6797CE4B]  142.72 133.58 90 top
kibuzzard-6797CE4B#9  G***  [kibuzzard-6797CE4B]  34.03 46.22 90 top
kibuzzard-6797CE44  G***  [kibuzzard-6797CE44]  28.95 46.54 90 top
kibuzzard-6797CE44#2  G***  [kibuzzard-6797CE44]  83.3 90.22 90 top
kibuzzard-6797CE44#3  G***  [kibuzzard-6797CE44]  28.95 90.22 90 top
kibuzzard-6797CE44#4  G***  [kibuzzard-6797CE44]  83.3 133.9 90 top
kibuzzard-6797CE44#5  G***  [kibuzzard-6797CE44]  137.64 90.22 90 top
kibuzzard-6797CE44#6  G***  [kibuzzard-6797CE44]  137.64 133.9 90 top
kibuzzard-6797CE44#7  G***  [kibuzzard-6797CE44]  28.95 133.9 90 top
kibuzzard-6797CE44#8  G***  [kibuzzard-6797CE44]  83.3 46.54 90 top
kibuzzard-6797CE44#9  G***  [kibuzzard-6797CE44]  137.64 46.54 90 top
kibuzzard-6797CE48  G***  [kibuzzard-6797CE48]  31.49 46.22 90 top
kibuzzard-6797CE48#2  G***  [kibuzzard-6797CE48]  85.84 89.9 90 top
kibuzzard-6797CE48#3  G***  [kibuzzard-6797CE48]  140.18 133.58 90 top
kibuzzard-6797CE48#4  G***  [kibuzzard-6797CE48]  31.49 133.58 90 top
kibuzzard-6797CE48#5  G***  [kibuzzard-6797CE48]  85.84 133.58 90 top
kibuzzard-6797CE48#6  G***  [kibuzzard-6797CE48]  31.49 89.9 90 top
kibuzzard-6797CE48#7  G***  [kibuzzard-6797CE48]  140.18 46.22 90 top
kibuzzard-6797CE48#8  G***  [kibuzzard-6797CE48]  85.84 46.22 90 top
kibuzzard-6797CE48#9  G***  [kibuzzard-6797CE48]  140.18 89.9 90 top
kibuzzard-6797CEC8  G***  [kibuzzard-6797CEC8]  54.51 106.28 90 top
kibuzzard-6797CEC8#2  G***  [kibuzzard-6797CEC8]  163.2 18.92 90 top
kibuzzard-6797CEC8#3  G***  [kibuzzard-6797CEC8]  54.51 62.6 90 top
kibuzzard-6797CEC8#4  G***  [kibuzzard-6797CEC8]  163.2 62.6 90 top
kibuzzard-6797CEC8#5  G***  [kibuzzard-6797CEC8]  163.2 106.28 90 top
kibuzzard-6797CEC8#6  G***  [kibuzzard-6797CEC8]  108.85 62.6 90 top
kibuzzard-6797CEC8#7  G***  [kibuzzard-6797CEC8]  108.85 18.92 90 top
kibuzzard-6797CEC8#8  G***  [kibuzzard-6797CEC8]  108.85 106.28 90 top
